# KiCad board expansionboardA.kicad_pcb
title: fpga board expansion test; rev: 3
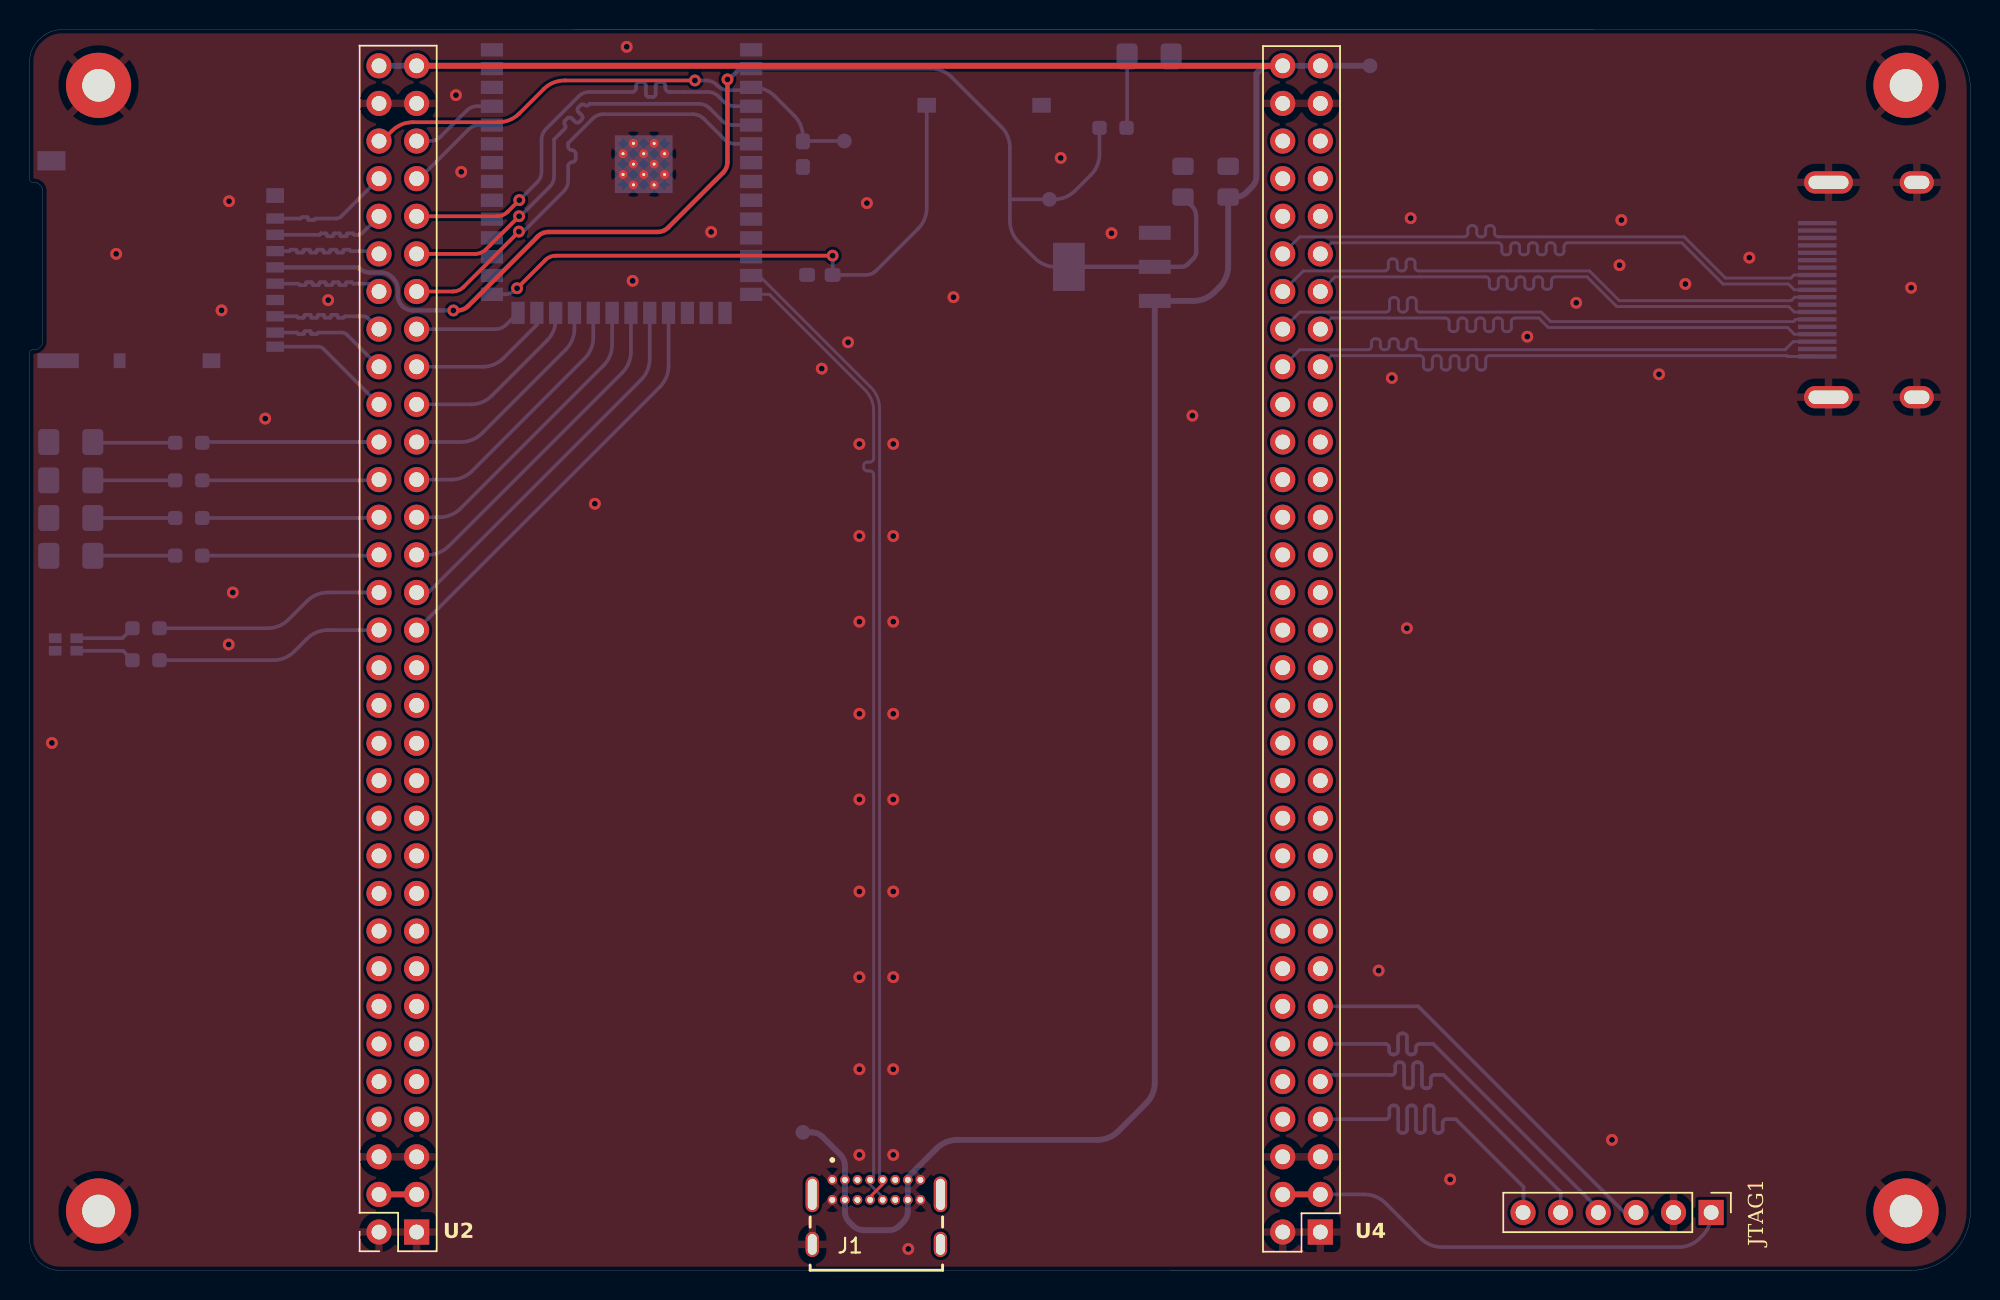
[diagram p0: board, top side]
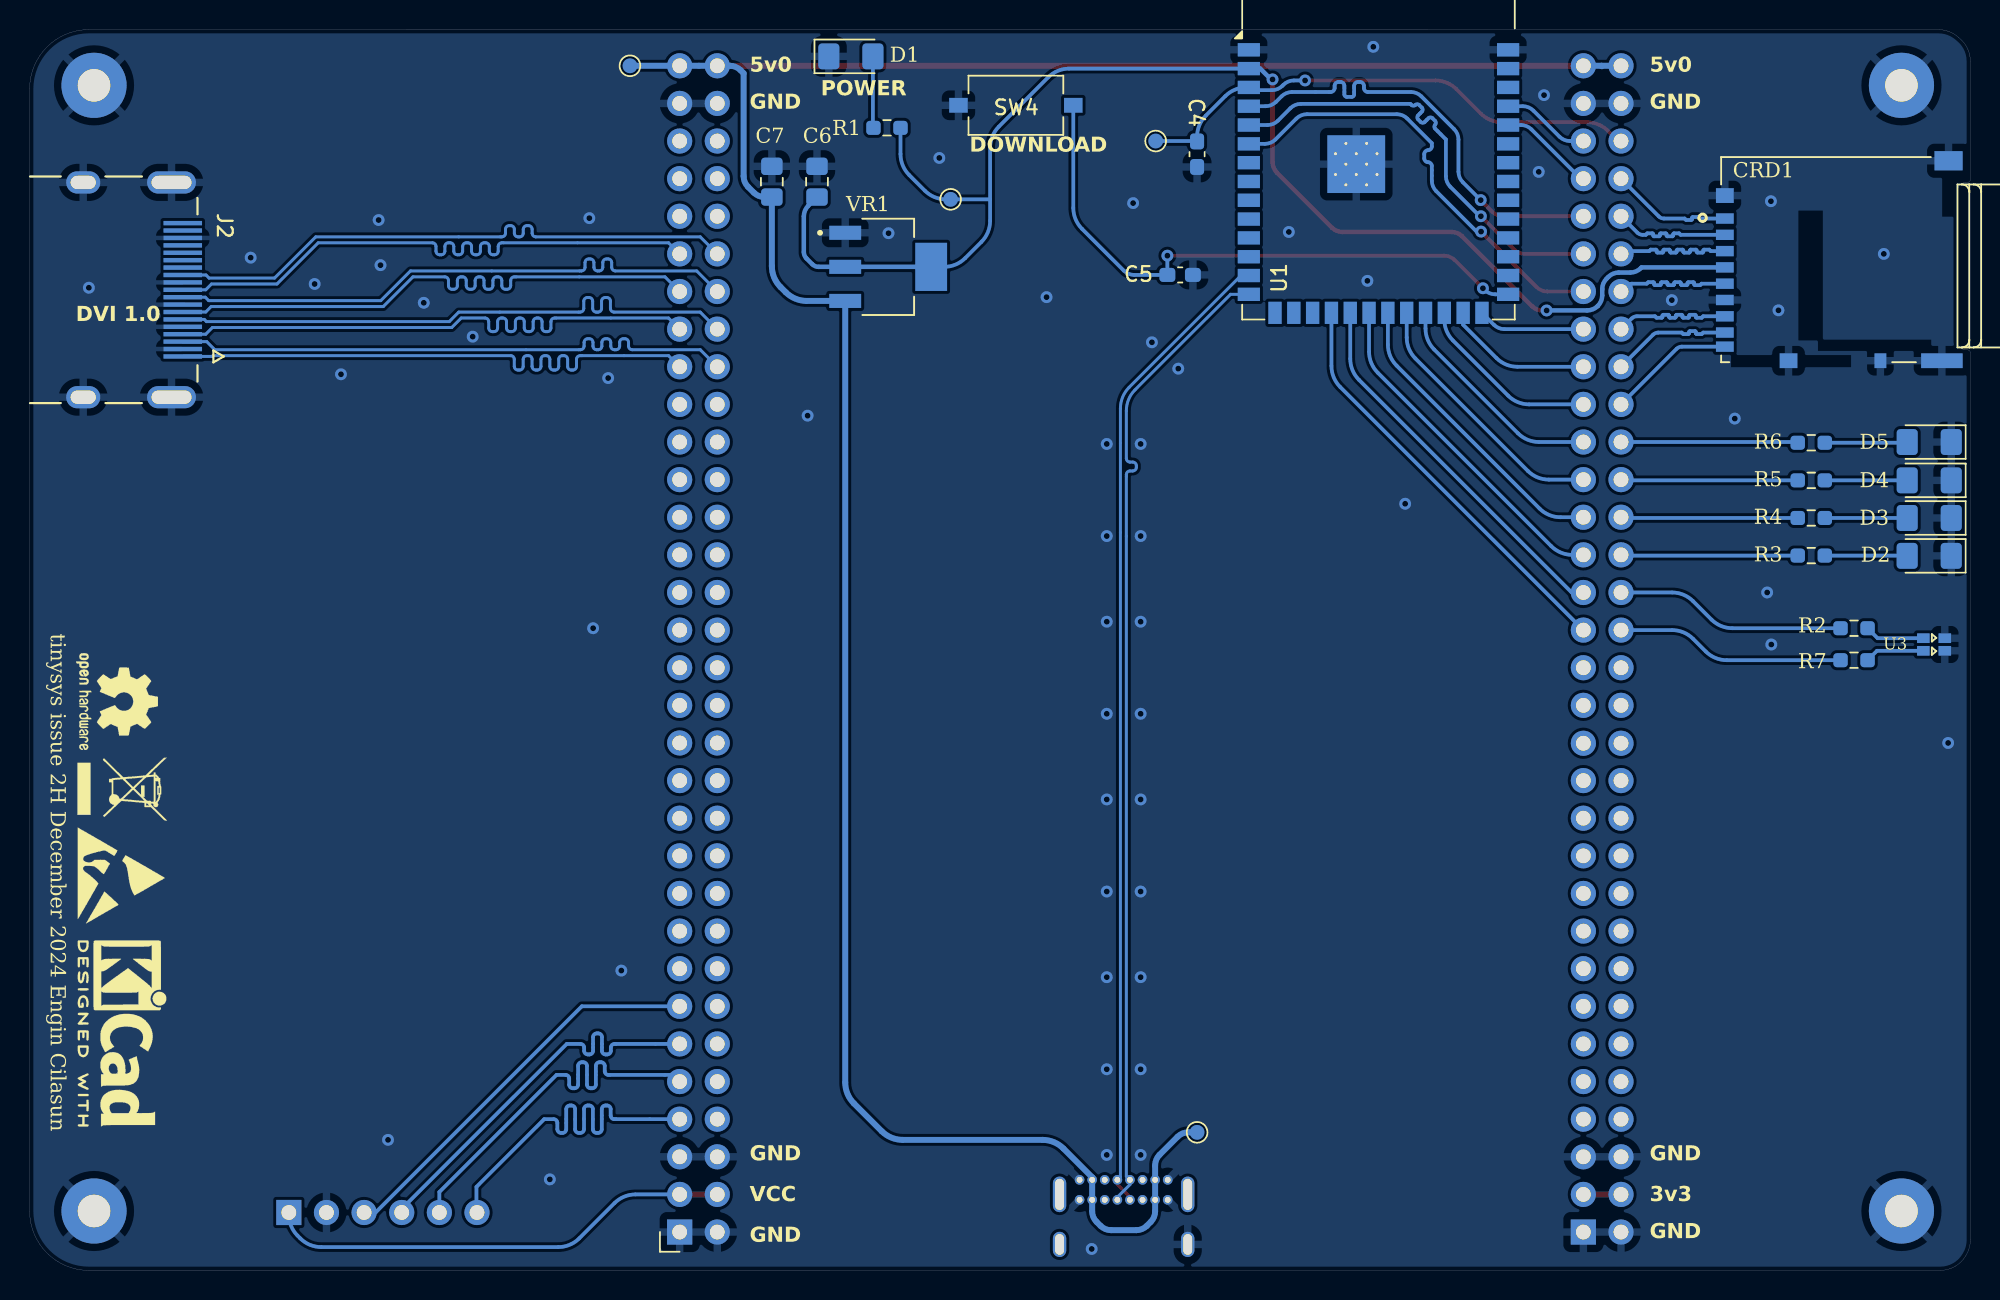
[diagram p1: board, bottom side, seen from below]

Outline 131 x 83.77 mm; copper layers: Top, Bottom. Coordinates in mm from the lower left corner of the outline.
Outline path: 0,61.95 0,2.06 arc(0.07,1.53) 0.28,1.03 0.32,0.97 arc(1.05,0.26) 2.04,0 127,0 arc(129.83,1.17) 131,4 131,79.77 arc(129.83,82.6) 127,83.77 2.15,83.77 arc(1.46,83.65) 0.85,83.29 0.71,83.17 arc(0.19,82.48) 0,81.64 0,73.65 arc(0.06,73.51) 0.2,73.45 0.29,73.45 arc(0.71,73.28) 0.89,72.85 0.89,62.75 arc(0.71,62.33) 0.29,62.15 0.2,62.15 arc(0.06,62.09) 0,61.95
Stack: Top 0.035mm / dielectric 1.51mm FR4 er 4.5 / Bottom 0.035mm

## Placement (name value [footprint] x y rotation side)
C4  0.1uf  [C_0603_1608Metric_Pad1.08x0.95mm_HandSolder]  52.2 75.36 270 bottom
C5  0.1uf  [C_0603_1608Metric_Pad1.08x0.95mm_HandSolder]  53.34 67.21 180 bottom
C6  10uf  [C_0805_2012Metric_Pad1.18x1.45mm_HandSolder]  77.85 73.5 90 bottom
C7  10uf  [C_0805_2012Metric_Pad1.18x1.45mm_HandSolder]  80.9 73.5 90 bottom
CRD1  DM3AT-SF-PEJM5  [HRS_DM3AT-SF-PEJM5]  16.57 67.82 90 bottom
D1  LED  [LED_1206_3216Metric_Pad1.42x1.75mm_HandSolder]  75.56 81.96 180 bottom
D2  LED  [LED_1206_3216Metric_Pad1.42x1.75mm_HandSolder]  2.78 48.24 0 bottom
D3  LED  [LED_1206_3216Metric_Pad1.42x1.75mm_HandSolder]  2.78 50.8 0 bottom
D4  LED  [LED_1206_3216Metric_Pad1.42x1.75mm_HandSolder]  2.78 53.34 0 bottom
D5  LED  [LED_1206_3216Metric_Pad1.42x1.75mm_HandSolder]  2.78 55.93 0 bottom
J1  USB_C_Receptacle  [GCT_USB4085-GF-A_REVA4]  57.15 1.75 0 top
J2  2086581051  [MOLEX_2086581051]  130.97 66.2 270 bottom
JTAG1  Conn_01x06_Pin  [PinHeader_1x06_P2.54mm_Vertical]  113.5 3.91 270 top
R1  330Ohm  [R_0603_1608Metric_Pad0.98x0.95mm_HandSolder]  73.13 77.14 0 bottom
R2  33Ohm  [R_0603_1608Metric_Pad0.98x0.95mm_HandSolder]  7.85 43.36 180 bottom
R3  33Ohm  [R_0603_1608Metric_Pad0.98x0.95mm_HandSolder]  10.74 48.26 180 bottom
R4  33Ohm  [R_0603_1608Metric_Pad0.98x0.95mm_HandSolder]  10.74 50.8 180 bottom
R5  33Ohm  [R_0603_1608Metric_Pad0.98x0.95mm_HandSolder]  10.74 53.34 180 bottom
R6  33Ohm  [R_0603_1608Metric_Pad0.98x0.95mm_HandSolder]  10.74 55.88 180 bottom
R7  33Ohm  [R_0603_1608Metric_Pad0.98x0.95mm_HandSolder]  7.85 41.2 180 bottom
REF**  -  [MountingHole_2.2mm_M2_Pad]  126.65 4.01 0 top
REF**#2  -  [MountingHole_2.2mm_M2_Pad]  4.65 4.01 0 top
REF**#3  -  [MountingHole_2.2mm_M2_Pad]  4.65 80.01 0 top
REF**#4  -  [MountingHole_2.2mm_M2_Pad]  126.65 80.01 0 top
REF**#5  -  [OSHW-Logo2_7.3x6mm_SilkScreen]  125.1 38.4 270 bottom
REF**#6  -  [WEEE-Logo_4.2x6mm_SilkScreen]  124.74 32.5 270 bottom
REF**#7  -  [KiCad-Logo2_5mm_SilkScreen]  124.74 16 270 bottom
REF**#8  -  [ESD-Logo_6.6x6mm_SilkScreen]  124.8 26.65 270 bottom
SW4  ESPPROG  [SW_Tactile_SPST_NO_Straight_CK_PTS636Sx25SMTRLFS]  64.43 78.66 180 bottom
t3V3  TestPoint  [TestPoint_Pad_D1.0mm]  68.83 72.31 180 bottom
t5V0  TestPoint  [TestPoint_Pad_D1.0mm]  90.47 81.33 180 bottom
tEN1  TestPoint  [TestPoint_Pad_D1.0mm]  54.99 76.25 180 bottom
tPWR1  TestPoint  [TestPoint_Pad_D1.0mm]  52.2 9.32 0 bottom
U1  -  [ESP32-S3-WROOM-1]  39.95 77.15 180 bottom
U2  GPIO_U2  [PinSocket_2x32_P2.54mm_Vertical]  26.12 2.59 0 bottom
U3  LTST-C195KGJRKT  [LTST-BILED-15X16]  2.45 42.26 90 bottom
U4  GPIO_U4  [PinSocket_2x32_P2.54mm_Vertical]  87.12 2.59 0 bottom
VR1  LM1117MPX-3.3/NOPB  [VREG_LM1117MPX-3.3_NOPB]  73.05 67.75 180 bottom

## Library data of the parts
C4-C7 = -: ki_fp_filters: C_*
CRD1 = -: AVAILABILITY: Unavailable; DESCRIPTION: DM3 RA SMT microSD memory card push/push; MF: Hirose; PACKAGE: None; PRICE: None
D1-D5 = -: ki_fp_filters: LED* LED_SMD:* LED_THT:*
J1 = -: Datasheet: https://www.usb.org/sites/default/files/documents/usb_type-c.zip; ki_fp_filters: USB*C*Receptacle*
J2 = -: PARTREV: A; STANDARD: Manufacturer Recommendations; OPTION: MOLEX_CONFIG; MAXIMUM_PACKAGE_HEIGHT: 6.19mm; MANUFACTURER: Molex
JTAG1 = -: Description: Generic connector, single row, 01x06, script generated; ki_fp_filters: Connector*:*_1x??_*
R1-R7 = -: ki_fp_filters: R_*
SW4 = -: Description: Push button switch, generic, two pins
t3V3 t5V0 tEN1 tPWR1 = -: Description: test point; ki_fp_filters: Pin* Test*
U1 = -: Datasheet: https://www.espressif.com/sites/default/files/documentation/esp32-s3-wroom-1_wroom-1u_datasheet_en.pdf; Description: RF Module, ESP32-S3 SoC, Wi-Fi 802.11b/g/n, Bluetooth, BLE, 32-bit, 3.3V, onboard antenna, SMD; ki_fp_filters: ESP32?S3?WROOM?1*
U2 U4 = -: ki_fp_filters: Connector*:*_2x??_*
VR1 = -: MANUFACTURER: Texas Instruments; MAXIMUM_PACKAGE_HEIGHT: 1.80 mm; PARTREV: O; STANDARD: Manufacturer Recommendation

## Footprints (pads in the part's own frame, mm; a bottom-side part is the same pattern mirrored in y, then rotated)
C_0603_1608Metric_Pad1.08x0.95mm_HandSolder
  rrect 1.075x0.95 smd: 1(-0.863,0) 2(0.863,0)
C_0805_2012Metric_Pad1.18x1.45mm_HandSolder
  rrect 1.175x1.45 smd: 1(-1.038,0) 2(1.038,0)
ESP32-S3-WROOM-1
  rect 0.9x0.9 smd: (-2.9,-3.86) (-2.9,-2.46) (-2.9,-1.06) (-1.5,-3.86) (-1.5,-2.46) (-1.5,-1.06) (-0.1,-3.86) (-0.1,-2.46) (-0.1,-1.06)
  rect 1.5x0.9 smd: 1(-8.75,5.26) 2(-8.75,3.99) 3(-8.75,2.72) 4(-8.75,1.45) 5(-8.75,0.18) 6(-8.75,-1.09) 7(-8.75,-2.36) 8(-8.75,-3.63) 9(-8.75,-4.9) 10(-8.75,-6.17) 11(-8.75,-7.44) 12(-8.75,-8.71) 13(-8.75,-9.98) 14(-8.75,-11.25) 27(8.75,-11.25) 28(8.75,-9.98) 29(8.75,-8.71) 30(8.75,-7.44) 31(8.75,-6.17) 32(8.75,-4.9) 33(8.75,-3.63) 34(8.75,-2.36) 35(8.75,-1.09) 36(8.75,0.18) 37(8.75,1.45) 38(8.75,2.72) 39(8.75,3.99) 40(8.75,5.26)
  rect 0.9x1.5 smd: 15(-6.985,-12.5) 16(-5.715,-12.5) 17(-4.445,-12.5) 18(-3.175,-12.5) 19(-1.905,-12.5) 20(-0.635,-12.5) 21(0.635,-12.5) 22(1.905,-12.5) 23(3.175,-12.5) 24(4.445,-12.5) 25(5.715,-12.5) 26(6.985,-12.5)
  round 0.6 hole 0.2: 41(-2.9,-3.16) 41(-2.9,-1.76) 41(-2.2,-3.86) 41(-2.2,-2.46) 41(-2.2,-1.06) 41(-1.5,-3.16) 41(-1.5,-1.76) 41(-0.8,-3.86) 41(-0.8,-2.46) 41(-0.8,-1.06) 41(-0.1,-3.16) 41(-0.1,-1.76)
  rect 3.9x3.9 smd: 41(-1.5,-2.46)
GCT_USB4085-GF-A_REVA4
  round 0.65 hole 0.4: A1(-2.975,4.36) A4(-2.125,4.36) A5(-1.275,4.36) A6(-0.425,4.36) A7(0.425,4.36) A8(1.275,4.36) A9(2.125,4.36) A12(2.975,4.36) B1(2.975,3.01) B4(2.125,3.01) B5(1.275,3.01) B6(0.425,3.01) B7(-0.425,3.01) B8(-1.275,3.01) B9(-2.125,3.01) B12(-2.975,3.01)
  oval 0.9x1.7 hole 0.6x1.4: S1(-4.325,0) S2(4.325,0)
  oval 0.9x2.4 hole 0.6x2.1: S3(-4.325,3.38) S4(4.325,3.38)
HRS_DM3AT-SF-PEJM5
  rect 0.7x1.2 smd: 1(3.2,0) 2(2.1,0) 3(1,0) 4(-0.1,0) 5(-1.2,0) 6(-2.3,0) 7(-3.4,0) 8(-4.5,0) SWB(-5.45,0)
  rect 1x1.2 smd: P1(-6.4,-4.3) P4(4.75,0)
  rect 1x2.8 smd: P2(-6.4,-14.65)
  rect 1.3x1.9 smd: P3(7.1,-15.1)
  rect 1x0.8 smd: SWA(-6.4,-10.5)
LED_1206_3216Metric_Pad1.42x1.75mm_HandSolder
  rrect 1.425x1.75 smd: 1(-1.488,0) 2(1.488,0)
LTST-BILED-15X16
  rect 0.65x0.85 smd: P$1(0.425,0.725) P$2(-0.425,0.725) P$3(0.425,-0.725) P$4(-0.425,-0.725)
MOLEX_2086581051
  rect 0.298x2.6 smd: 1(4.5,10.31) 2(4,10.31) 3(3.5,10.31) 4(3,10.31) 5(2.5,10.31) 6(2,10.31) 7(1.5,10.31) 8(1,10.31) 9(0.5,10.31) 10(0,10.31) 11(-0.5,10.31) 12(-1,10.31) 13(-1.5,10.31) 14(-2,10.31) 15(-2.5,10.31) 16(-3,10.31) 17(-3.5,10.31) 18(-4,10.31) 19(-4.5,10.31)
  oval 1.5x3.3 hole 0.9x2.7: SH1(7.25,9.55) SH2(-7.25,9.55)
  oval 1.5x2.3 hole 0.9x1.7: SH3(7.25,3.59) SH4(-7.25,3.59)
MountingHole_2.2mm_M2_Pad
  round 4.4 hole 2.2: 1(0,0)
PinHeader_1x06_P2.54mm_Vertical
  rect 1.7x1.7 hole 1: 1(0,0)
  oval 1.7x1.7 hole 1: 2(0,-2.54) 3(0,-5.08) 4(0,-7.62) 5(0,-10.16) 6(0,-12.7)
PinSocket_2x32_P2.54mm_Vertical
  rect 1.7x1.7 hole 1: 1(0,0)
  oval 1.7x1.7 hole 1: 2(-2.54,0) 3(0,-2.54) 4(-2.54,-2.54) 5(0,-5.08) 6(-2.54,-5.08) 7(0,-7.62) 8(-2.54,-7.62) 9(0,-10.16) 10(-2.54,-10.16) 11(0,-12.7) 12(-2.54,-12.7) 13(0,-15.24) 14(-2.54,-15.24) 15(0,-17.78) 16(-2.54,-17.78) 17(0,-20.32) 18(-2.54,-20.32) 19(0,-22.86) 20(-2.54,-22.86) 21(0,-25.4) 22(-2.54,-25.4) 23(0,-27.94) 24(-2.54,-27.94) 25(0,-30.48) 26(-2.54,-30.48) 27(0,-33) 28(-2.54,-33) 29(0,-35.56) 30(-2.54,-35.56) 31(0,-38.1) 32(-2.54,-38.1) 33(0,-40.64) 34(-2.54,-40.64) 35(0,-43.18) 36(-2.54,-43.18) 37(0,-45.72) 38(-2.54,-45.72) 39(0,-48.26) 40(-2.54,-48.26) 41(0,-50.8) 42(-2.54,-50.8) 43(0,-53.34) 44(-2.54,-53.34) 45(0,-55.88) 46(-2.54,-55.88) 47(0,-58.42) 48(-2.54,-58.42) 49(0,-60.96) 50(-2.54,-60.96) 51(0,-63.5) 52(-2.54,-63.5) 53(0,-66.04) 54(-2.54,-66.04) 55(0,-68.58) 56(-2.54,-68.58) 57(0,-71.12) 58(-2.54,-71.12) 59(0,-73.66) 60(-2.54,-73.66) 61(0,-76.2) 62(-2.54,-76.2) 63(0,-78.74) 64(-2.54,-78.74)
R_0603_1608Metric_Pad0.98x0.95mm_HandSolder
  rrect 0.975x0.95 smd: 1(-0.912,0) 2(0.912,0)
SW_Tactile_SPST_NO_Straight_CK_PTS636Sx25SMTRLFS
  rect 1.25x1 smd: 1(-3.875,0) 2(3.875,0)
TestPoint_Pad_D1.0mm
  round 1 smd: 1(0,0)
VREG_LM1117MPX-3.3_NOPB
  rect 2.15x0.95 smd: 1(-2.9,2.3) 2(-2.9,0) 3(-2.9,-2.3)
  rect 2.15x3.25 smd: 4(2.9,0)

## Nets
3V3: U2.3 U2.4
5V: C7.1 J1.A4 J1.A9 J1.B4 J1.B9 t5V0.1 tPWR1.1 U2.63 U2.64 U4.63 U4.64 VR1.3
GND: C4.2 C5.2 C6.2 C7.2 CRD1.6 CRD1.P1 CRD1.P2 CRD1.P3 CRD1.P4 CRD1.SWA D1.1 D2.1 D3.1 D4.1 D5.1 J1.A1 J1.A12 J1.B1 J1.B12 J1.S1 J2.2 J2.5 J2.8 J2.11 J2.17 J2.SH1 J2.SH2 J2.SH3 J2.SH4 JTAG1.2 REF**.1 REF**#2.1 REF**#3.1 REF**#4.1 SW4.1 U1.1 U1.40 U1.41 U2.1 U2.2 U2.5 U2.6 U2.61 U2.62 U3.P$3 U3.P$4 U4.1 U4.2 U4.5 U4.6 U4.61 U4.62 VR1.1
VCC: JTAG1.1 U4.3 U4.4
AU_LRCLK: U4.21
AU_MCLK: U4.23
AU_SCLK: U4.19
AU_SDIN: U4.17
CK_N: J2.12 U4.54
CK_P: J2.10 U4.53
CPU_RESET: U1.26 U2.49
D0_N: J2.9 U4.52
D0_P: J2.7 U4.51
D1_N: J2.6 U4.50
D1_P: J2.4 U4.49
D2_N: J2.3 U4.48
D2_P: J2.1 U4.47
ESP2D_N: J1.A7 J1.B7 U1.13
ESP2D_P: J1.A6 J1.B6 U1.14
ESP_RST: C4.1 tEN1.1 U1.3 U2.60
GPI: U4.14
IO10: U1.18 U2.33
IO11: U1.19 U2.35
IO12: U1.20 U2.37
IO13: U1.21 U2.39
IO14: U1.22 U2.41
IO21: U1.23 U2.43
IO47: U1.24 U2.45
IO48: U1.25 U2.47
LED0: R3.1 U2.38
LED1: R4.1 U2.40
LED2: R5.1 U2.42
LED3: R6.1 U2.44
REG3V3: C6.1 CRD1.4 R1.1 t3V3.1 U1.2 VR1.2 VR1.4
RXD1: U1.36 U2.57
S3_MCLK: U1.6 U2.51
S3_MISO: U1.4 U2.55
S3_MOSI: U1.5 U2.53
SDCLK: CRD1.5 U2.52
SDCMD: CRD1.3 U2.54
SDDAT0: CRD1.7 U2.50
SDDAT1: CRD1.8 U2.48
SDDAT2: CRD1.1 U2.58
SDDAT3: CRD1.2 U2.56
SDSWTCH: CRD1.SWB U2.46
STAT_G1: R2.1 U2.36
STAT_R1: R7.1 U2.34
TCK: JTAG1.3 U4.13
TDI: JTAG1.5 U4.9
TDO: JTAG1.4 U4.11
TMS: JTAG1.6 U4.7
TXD1: U1.37 U2.59
Net-(D1-A): D1.2 R1.2
Net-(D2-A): D2.2 R3.2
Net-(D3-A): D3.2 R4.2
Net-(D4-A): D4.2 R5.2
Net-(D5-A): D5.2 R6.2
Net-(R2-Pad2): R2.2 U3.P$1
Net-(R7-Pad2): R7.2 U3.P$2
Net-(U1-IO0): C5.1 SW4.2 U1.27

Pads without a net: J1 A5 A8 B5 B8 S2 S3 S4; J2 13 14 15 16 18 19; U1 7 8 9 10 11 12 15 16 17 28 29 30 31 32 33 34 35 38 39; U2 7 8 9 10 11 12 13 14 15 16 17 18 19 20 21 22 23 24 25 26 27 28 29 30 31 32; U4 8 10 12 15 16 18 20 22 24 25 26 27 28 29 30 31 32 33 34 35 36 37 38 39 40 41 42 43 44 45 46 55 56 57 58 59 60

## Via types
v1: diameter 0.8, hole 0.4, Top to Bottom, 62 vias

## Routing (per net, layer and track width the routed paths; a pad name or vN(x,y) marks a point on that pad's centre or on a via; arc(x,y) is an arc through that point)
3V3: length 2.5
  Top w0.4: U2.3 U2.4
5V: length 176.6
  Top w0.4: U4.64 U2.63
  Bottom w0.4: 24.9,81.33 U2.63 ; 24.9,81.33 U2.64 ; 24.9,81.33 24.87,81.3 ; t5V0.1 U4.63 U4.64 83.73,81.33 arc(83.34,81.25) 83.02,81.04 82.8,80.82 82.8,73.87 arc(82.73,73.49) 82.51,73.16 82.11,72.76 arc(81.78,72.54) 81.4,72.47 C7.1 80.9,67.81 arc(80.75,67.04) 80.31,66.39 79.96,66.04 arc(79.31,65.61) 78.55,65.45 VR1.3 75.95,12.69 arc(75.79,11.92) 75.36,11.27 73.48,9.4 arc(72.83,8.96) 72.07,8.81 62.63,8.81 arc(61.86,8.66) 61.22,8.23 59.28,6.29 J1.A9 J1.B4 59.28,3.99 arc(59.2,3.61) 58.99,3.28 58.71,3.01 arc(58.39,2.79) 58.01,2.72 56.29,2.72 arc(55.91,2.79) 55.59,3.01 55.32,3.27 arc(55.1,3.6) 55.03,3.98 J1.B9 J1.A4 55.03,7.09 arc(54.95,7.47) 54.74,7.8 53.51,9.03 arc(53.18,9.24) 52.8,9.32 tPWR1.1
GND:
  vias: v1(1.5,35.61) v1(5.84,68.63) v1(12.95,64.82) v1(13.44,42.26) v1(13.46,72.18) v1(13.72,45.77) v1(15.9,57.51) v1(20.15,65.51) v1(28.78,79.35) v1(29.13,74.17) v1(38.15,51.76) v1(40.3,82.61) v1(40.7,66.81) v1(46,70.11) v1(53.47,60.88) v1(55.25,62.66) v1(56.01,55.8) v1(56.01,49.58) v1(56.01,43.8) v1(56.01,37.58) v1(56.01,31.8) v1(56.01,25.58) v1(56.01,19.8) v1(56.01,13.58) v1(56.01,7.8) v1(56.52,72.06) v1(58.29,55.8) v1(58.29,49.58) v1(58.29,43.8) v1(58.29,37.58) v1(58.29,31.8) v1(58.29,25.58) v1(58.29,19.8) v1(58.29,13.58) v1(58.29,7.8) v1(59.31,1.45) v1(62.36,65.71) v1(69.6,75.11) v1(73.03,70.03) v1(78.49,57.71) v1(91.06,20.24) v1(91.95,60.25) v1(92.96,43.36) v1(93.22,71.04) v1(95.89,6.14) v1(101.09,63.04) v1(104.39,65.33) v1(106.81,8.81) v1(107.32,67.87) v1(107.44,70.91) v1(109.98,60.5) v1(111.76,66.6) v1(116.08,68.37) v1(127,66.34)
VCC: length 31.6
  Top w0.4: U4.3 U4.4
  Bottom w0.25: JTAG1.1 113.5,3.76 arc(113.35,3) 112.92,2.35 112.73,2.16 arc(112.08,1.72) 111.31,1.57 95.32,1.57 arc(94.55,1.72) 93.9,2.16 91.52,4.54 arc(90.87,4.98) 90.1,5.13 U4.3
CK_N: length 40
  Bottom w0.2: J2.12 119.09,67.2 118.89,67 114.47,67 111.68,69.78 99.12,69.78 arc(98.95,69.85) 98.88,70.02 98.88,70.3 arc(98.81,70.47) 98.64,70.54 98.52,70.54 arc(98.35,70.47) 98.28,70.3 98.28,70.02 arc(98.21,69.85) 98.04,69.78 97.92,69.78 arc(97.75,69.85) 97.68,70.02 97.68,70.3 arc(97.61,70.47) 97.44,70.54 97.32,70.54 arc(97.15,70.47) 97.08,70.3 97.08,70.02 arc(97.01,69.85) 96.84,69.78 85.73,69.78 U4.54
CK_P: length 40
  Bottom w0.2: U4.53 87.87,69.38 99.13,69.38 arc(99.3,69.31) 99.37,69.14 99.37,68.81 arc(99.44,68.64) 99.61,68.57 99.73,68.57 arc(99.9,68.64) 99.97,68.81 99.97,69.14 arc(100.04,69.31) 100.21,69.38 100.33,69.38 arc(100.5,69.31) 100.57,69.14 100.57,68.81 arc(100.64,68.64) 100.81,68.57 100.93,68.57 arc(101.1,68.64) 101.17,68.81 101.17,69.14 arc(101.24,69.31) 101.41,69.38 101.53,69.38 arc(101.7,69.31) 101.77,69.14 101.77,68.81 arc(101.84,68.64) 102.01,68.57 102.13,68.57 arc(102.3,68.64) 102.37,68.81 102.37,69.14 arc(102.44,69.31) 102.61,69.38 102.73,69.38 arc(102.9,69.31) 102.97,69.14 102.97,68.81 arc(103.04,68.64) 103.21,68.57 103.33,68.57 arc(103.5,68.64) 103.57,68.81 103.57,69.14 arc(103.64,69.31) 103.81,69.38 111.52,69.38 114.3,66.6 118.72,66.6 119.11,66.2 J2.10
CPU_RESET: length 7.3
  Bottom w0.25: U1.26 32.16,63.84 arc(31.84,63.62) 31.45,63.55 U2.49
D0_N: length 40
  Bottom w0.2: J2.9 119.14,65.7 118.91,65.47 107.3,65.47 105.29,67.48 93.75,67.48 arc(93.58,67.55) 93.51,67.72 93.51,68.05 arc(93.44,68.22) 93.27,68.29 93.15,68.29 arc(92.98,68.22) 92.91,68.05 92.91,67.72 arc(92.84,67.55) 92.67,67.48 92.55,67.48 arc(92.38,67.55) 92.31,67.72 92.31,68.05 arc(92.24,68.22) 92.07,68.29 91.95,68.29 arc(91.78,68.22) 91.71,68.05 91.71,67.72 arc(91.64,67.55) 91.47,67.48 85.97,67.48 U4.52
D0_P: length 40
  Bottom w0.2: U4.51 88.11,67.08 98.29,67.08 arc(98.46,67.01) 98.53,66.84 98.53,66.48 arc(98.6,66.31) 98.77,66.24 98.89,66.24 arc(99.06,66.31) 99.13,66.48 99.13,66.84 arc(99.2,67.01) 99.37,67.08 99.49,67.08 arc(99.66,67.01) 99.73,66.84 99.73,66.48 arc(99.8,66.31) 99.97,66.24 100.09,66.24 arc(100.26,66.31) 100.33,66.48 100.33,66.84 arc(100.4,67.01) 100.57,67.08 100.69,67.08 arc(100.86,67.01) 100.93,66.84 100.93,66.48 arc(101,66.31) 101.17,66.24 101.29,66.24 arc(101.46,66.31) 101.53,66.48 101.53,66.84 arc(101.6,67.01) 101.77,67.08 101.89,67.08 arc(102.06,67.01) 102.13,66.84 102.13,66.48 arc(102.2,66.31) 102.37,66.24 102.49,66.24 arc(102.66,66.31) 102.73,66.48 102.73,66.84 arc(102.8,67.01) 102.97,67.08 105.12,67.08 107.13,65.07 118.74,65.07 119.11,64.7 J2.7
D1_N: length 40
  Bottom w0.2: J2.6 119.21,64.2 119.06,64.06 102.67,64.06 102.03,64.7 93.83,64.7 arc(93.66,64.77) 93.59,64.94 93.59,65.44 arc(93.52,65.61) 93.35,65.68 93.23,65.68 arc(93.06,65.61) 92.99,65.44 92.99,64.94 arc(92.92,64.77) 92.75,64.7 92.63,64.7 arc(92.46,64.77) 92.39,64.94 92.39,65.44 arc(92.32,65.61) 92.15,65.68 92.03,65.68 arc(91.86,65.61) 91.79,65.44 91.79,64.94 arc(91.72,64.77) 91.55,64.7 85.73,64.7 U4.50
D1_P: length 40
  Bottom w0.2: U4.49 87.87,64.3 95.57,64.3 arc(95.74,64.23) 95.81,64.06 95.81,63.62 arc(95.88,63.45) 96.05,63.38 96.17,63.38 arc(96.34,63.45) 96.41,63.62 96.41,64.06 arc(96.48,64.23) 96.65,64.3 96.77,64.3 arc(96.94,64.23) 97.01,64.06 97.01,63.62 arc(97.08,63.45) 97.25,63.38 97.37,63.38 arc(97.54,63.45) 97.61,63.62 97.61,64.06 arc(97.68,64.23) 97.85,64.3 97.97,64.3 arc(98.14,64.23) 98.21,64.06 98.21,63.62 arc(98.28,63.45) 98.45,63.38 98.57,63.38 arc(98.74,63.45) 98.81,63.62 98.81,64.06 arc(98.88,64.23) 99.05,64.3 99.17,64.3 arc(99.34,64.23) 99.41,64.06 99.41,63.62 arc(99.48,63.45) 99.65,63.38 99.77,63.38 arc(99.94,63.45) 100.01,63.62 100.01,64.06 arc(100.08,64.23) 100.25,64.3 101.87,64.3 102.51,63.66 118.66,63.66 119.11,63.2 J2.4
D2_N: length 40
  Bottom w0.2: J2.3 119.04,62.7 118.5,62.16 93.81,62.16 arc(93.64,62.23) 93.57,62.4 93.57,62.66 arc(93.5,62.83) 93.33,62.9 93.21,62.9 arc(93.04,62.83) 92.97,62.66 92.97,62.4 arc(92.9,62.23) 92.73,62.16 92.61,62.16 arc(92.44,62.23) 92.37,62.4 92.37,62.66 arc(92.3,62.83) 92.13,62.9 92.01,62.9 arc(91.84,62.83) 91.77,62.66 91.77,62.4 arc(91.7,62.23) 91.53,62.16 91.41,62.16 arc(91.24,62.23) 91.17,62.4 91.17,62.66 arc(91.1,62.83) 90.93,62.9 90.81,62.9 arc(90.64,62.83) 90.57,62.66 90.57,62.4 arc(90.5,62.23) 90.33,62.16 85.73,62.16 U4.48
D2_P: length 40
  Bottom w0.2: J2.1 118.67,61.7 118.62,61.76 98.52,61.76 arc(98.35,61.69) 98.28,61.52 98.28,61.03 arc(98.21,60.86) 98.04,60.79 97.92,60.79 arc(97.75,60.86) 97.68,61.03 97.68,61.52 arc(97.61,61.69) 97.44,61.76 97.32,61.76 arc(97.15,61.69) 97.08,61.52 97.08,61.03 arc(97.01,60.86) 96.84,60.79 96.72,60.79 arc(96.55,60.86) 96.48,61.03 96.48,61.52 arc(96.41,61.69) 96.24,61.76 96.12,61.76 arc(95.95,61.69) 95.88,61.52 95.88,61.03 arc(95.81,60.86) 95.64,60.79 95.52,60.79 arc(95.35,60.86) 95.28,61.03 95.28,61.52 arc(95.21,61.69) 95.04,61.76 94.92,61.76 arc(94.75,61.69) 94.68,61.52 94.68,61.03 arc(94.61,60.86) 94.44,60.79 94.32,60.79 arc(94.15,60.86) 94.08,61.03 94.08,61.52 arc(94.01,61.69) 93.84,61.76 87.87,61.76 U4.47
ESP2D_N: length 66.7
  Top w0.2: J1.A7 57.58,5.81 56.73,4.96 J1.B7
  Bottom w0.2: J1.A7 57.37,6.32 57.37,58.2 arc(57.22,58.97) 56.79,59.62 49.23,67.17 U1.13
ESP2D_P: length 66.6
  Bottom w0.2: J1.B6 57.58,4.94 56.73,5.79 J1.A6 56.97,6.36 56.97,53.73 arc(56.9,53.9) 56.73,53.97 56.54,53.97 arc(56.37,54.04) 56.3,54.21 56.3,54.33 arc(56.37,54.5) 56.54,54.57 56.73,54.57 arc(56.9,54.64) 56.97,54.81 56.97,58.04 arc(56.82,58.8) 56.39,59.45 49.94,65.9 U1.14
ESP_RST: length 35.1
  Top w0.25: U2.60 23.77,76.25 24.46,76.93 arc(25.11,77.37) 25.87,77.52 31.63,77.52 arc(32.4,77.67) 33.05,78.1 34.69,79.75 arc(35.34,80.19) 36.11,80.34 v1(44.91,80.34)
  Bottom w0.25: tEN1.1 52.22,76.25 C4.1 52.2,76.54 arc(52.04,77.31) 51.61,77.96 50.29,79.28 arc(49.64,79.72) 48.87,79.87 U1.3 48.52,79.68 47.14,79.68 arc(46.76,79.76) 46.44,79.98 46.37,80.04 arc(46.04,80.26) 45.66,80.34 v1(44.91,80.34)
IO10: length 28.4
  Bottom w0.25: U1.18 43.13,61.06 arc(42.97,60.3) 42.54,59.65 U2.33
IO11: length 25.8
  Bottom w0.25: U2.35 26.91,45.77 41.27,60.13 arc(41.7,60.78) 41.86,61.54 U1.19
IO12: length 23.1
  Bottom w0.25: U1.20 40.59,62.02 arc(40.43,61.26) 40,60.61 28.29,48.89 arc(27.64,48.46) 26.87,48.31 U2.37
IO13: length 20.5
  Bottom w0.25: U2.39 27.66,50.85 arc(28.43,51) 29.08,51.43 38.73,61.09 arc(39.16,61.74) 39.32,62.5 U1.21
IO14: length 17.9
  Bottom w0.25: U1.22 38.05,62.98 arc(37.89,62.22) 37.46,61.57 29.87,53.97 arc(29.22,53.54) 28.45,53.39 U2.41
IO21: length 15.2
  Bottom w0.25: U1.23 36.78,63.59 arc(36.62,62.82) 36.19,62.17 30.53,56.51 arc(29.88,56.08) 29.12,55.93 U2.43
IO47: length 13
  Top w0.25: U2.45 26.12,58.99
  Bottom w0.25: U1.24 35.51,64.19 arc(35.35,63.43) 34.92,62.78 31.2,59.05 arc(30.55,58.62) 29.78,58.47 U2.45
IO48: length 10
  Bottom w0.25: U2.47 30.57,61.01 arc(31.34,61.16) 31.99,61.59 34.24,63.84 34.24,64.65
LED0: length 12
  Bottom w0.25: R3.1 23.53,48.26 U2.38
LED1: length 12
  Bottom w0.25: R4.1 23.53,50.8 U2.40
LED2: length 12
  Bottom w0.25: U2.42 23.53,53.34 R5.1
LED3: length 12
  Bottom w0.25: U2.44 11.7,55.93 R6.1
REG3V3: length 97
  Top w0.3: v1(28.6,64.81) 28.89,64.81 arc(29.27,64.88) 29.59,65.1 34.31,69.82 arc(34.63,70.03) 35.02,70.11 42.39,70.11 arc(42.77,70.18) 43.09,70.4 46.81,74.12 arc(47.03,74.44) 47.1,74.82 v1(47.1,80.41)
  Bottom w0.25: 66.17,72.31 t3V3.1 69.16,72.31 arc(69.92,72.46) 70.57,72.9 71.63,73.96 arc(72.06,74.6) 72.22,75.37 R1.1 ; 66.17,72.31 66.17,70.85 arc(66.32,70.09) 66.75,69.44 67.85,68.34 arc(68.5,67.91) 69.27,67.75 VR1.4 ; 66.17,72.31 66.17,75.8 arc(66.01,76.57) 65.58,77.22 62.24,80.55 arc(61.59,80.99) 60.83,81.14 U1.2
  Bottom w0.3: VR1.4 VR1.2 77.74,67.75 arc(77.97,67.8) 78.17,67.93 78.56,68.33 arc(78.69,68.52) 78.74,68.75 78.74,71.16 arc(78.66,71.55) 78.45,71.87 C6.1 ; CRD1.4 22.19,67.72 22.25,67.66 arc(22.57,67.44) 22.96,67.37 23.73,67.37 arc(24.11,67.29) 24.43,67.08 24.56,66.95 arc(24.77,66.63) 24.85,66.25 24.85,65.82 arc(24.93,65.44) 25.14,65.12 25.15,65.11 arc(25.48,64.89) 25.86,64.81 28.6,64.81 v1(28.6,64.81) ; v1(47.1,80.41) 47.2,80.41 47.93,81.14 U1.2
RXD1: length 6.5
  Bottom w0.25: U2.57 26.3,73.71 29.63,77.04 arc(29.95,77.25) 30.34,77.33 U1.36
S3_MCLK: length 30.5
  Top w0.25: U2.51 28.57,66.09 arc(28.95,66.16) 29.27,66.38 v1(33.03,70.13)
  Bottom w0.25: v1(33.03,70.13) 33.33,70.13 36.06,72.87 arc(36.28,73.19) 36.35,73.57 36.35,74.56 arc(36.43,74.74) 36.61,74.82 arc(36.79,74.89) 36.86,75.07 36.86,75.37 arc(36.79,75.55) 36.61,75.63 arc(36.43,75.7) 36.35,75.88 36.35,76.11 38.01,77.77 arc(38.33,77.98) 38.72,78.06 44.79,78.06 arc(45.17,77.98) 45.49,77.77 46.91,76.35 arc(47.23,76.13) 47.62,76.06 U1.6
S3_MISO: length 30.5
  Top w0.25: v1(33.05,72.26) 32.25,71.46 arc(31.93,71.24) 31.55,71.17 U2.55
  Bottom w0.25: U1.4 47.58,78.6 arc(47.19,78.67) 46.87,78.89 46.49,79.27 arc(46.17,79.48) 45.79,79.56 43.18,79.56 arc(42.99,79.64) 42.91,79.82 42.91,79.97 arc(42.84,80.16) 42.65,80.24 42.52,80.24 arc(42.33,80.16) 42.25,79.97 42.25,79.39 arc(42.21,79.28) 42.09,79.23 41.76,79.23 arc(41.64,79.28) 41.59,79.39 41.59,79.97 arc(41.52,80.16) 41.33,80.24 41.2,80.24 arc(41.01,80.16) 40.93,79.97 40.93,79.82 arc(40.86,79.64) 40.67,79.56 37.77,79.56 arc(37.38,79.48) 37.06,79.27 34.84,77.05 arc(34.63,76.73) 34.55,76.34 34.55,74.17 arc(34.48,73.79) 34.26,73.47 v1(33.05,72.26)
S3_MOSI: length 30.5
  Top w0.25: U2.53 30.08,68.63 arc(30.47,68.7) 30.79,68.92 v1(33.04,71.17)
  Bottom w0.25: U1.5 47.45,77.33 arc(47.06,77.4) 46.74,77.62 45.89,78.47 arc(45.57,78.68) 45.19,78.76 37.8,78.76 37.73,78.68 arc(37.6,78.63) 37.47,78.68 arc(37.33,78.74) 37.2,78.68 37.02,78.5 arc(36.97,78.37) 37.02,78.24 37.28,77.98 arc(37.34,77.85) 37.28,77.71 37.1,77.53 arc(36.97,77.48) 36.84,77.53 36.57,77.79 arc(36.44,77.85) 36.31,77.79 36.13,77.61 arc(36.07,77.48) 36.13,77.35 arc(36.18,77.22) 36.13,77.09 35.4,76.36 35.4,73.87 arc(35.33,73.49) 35.11,73.17 33.11,71.17 v1(33.04,71.17)
SDCLK: length 8.3
  Bottom w0.25: CRD1.5 18.14,66.62 18.24,66.52 18.59,66.52 18.64,66.57 18.64,66.67 18.69,66.72 19.04,66.72 19.09,66.67 19.09,66.57 19.14,66.52 19.49,66.52 19.54,66.57 19.54,66.67 19.59,66.72 19.94,66.72 19.99,66.67 19.99,66.57 20.04,66.52 20.39,66.52 20.44,66.57 20.44,66.67 20.49,66.72 20.84,66.72 20.89,66.67 20.89,66.57 20.94,66.52 21.29,66.52 21.34,66.57 21.34,66.67 21.39,66.72 21.74,66.72 21.84,66.62 22.85,66.62 arc(23.04,66.58) 23.2,66.47 U2.52
SDCMD: length 8.3
  Bottom w0.25: CRD1.3 17.53,68.82 17.63,68.92 17.98,68.92 18.03,68.87 18.03,68.77 18.08,68.72 18.43,68.72 18.48,68.77 18.48,68.87 18.53,68.92 18.88,68.92 18.93,68.87 18.93,68.77 18.98,68.72 19.33,68.72 19.38,68.77 19.38,68.87 19.43,68.92 19.78,68.92 19.83,68.87 19.83,68.77 19.88,68.72 20.23,68.72 20.28,68.77 20.28,68.87 20.33,68.92 20.68,68.92 20.73,68.87 20.73,68.77 20.78,68.72 21.13,68.72 21.18,68.77 21.18,68.87 21.23,68.92 21.58,68.92 21.68,68.82 23.19,68.82 arc(23.38,68.78) 23.54,68.67 U2.54
SDDAT0: length 8.3
  Bottom w0.25: CRD1.7 18.03,64.42 18.13,64.32 18.48,64.32 18.53,64.37 18.53,64.47 18.58,64.52 18.93,64.52 18.98,64.47 18.98,64.37 19.03,64.32 19.38,64.32 19.43,64.37 19.43,64.47 19.48,64.52 19.83,64.52 19.88,64.47 19.88,64.37 19.93,64.32 20.28,64.32 20.33,64.37 20.33,64.47 20.38,64.52 20.73,64.52 20.78,64.47 20.78,64.37 20.83,64.32 21.18,64.32 21.28,64.42 22.51,64.42 arc(22.7,64.38) 22.86,64.27 U2.50
SDDAT1: length 8.3
  Bottom w0.25: U2.48 21.42,63.17 arc(21.26,63.28) 21.07,63.32 19.48,63.32 19.38,63.22 19.03,63.22 18.98,63.27 18.98,63.37 18.93,63.42 18.58,63.42 18.53,63.37 18.53,63.27 18.48,63.22 18.13,63.22 18.03,63.32 CRD1.8
SDDAT2: length 8.3
  Bottom w0.25: CRD1.1 18.29,71.02 18.39,71.12 18.74,71.12 18.79,71.07 18.79,70.97 18.84,70.92 19.19,70.92 19.29,71.02 20.68,71.02 arc(20.87,71.05) 21.04,71.16 U2.58
SDDAT3: length 8.2
  Bottom w0.25: CRD1.2 19.56,69.92 19.66,70.02 20.01,70.02 20.06,69.97 20.06,69.87 20.11,69.82 20.46,69.82 20.51,69.87 20.51,69.97 20.56,70.02 20.91,70.02 20.96,69.97 20.96,69.87 21.01,69.82 21.36,69.82 21.41,69.87 21.41,69.97 21.46,70.02 21.81,70.02 21.91,69.92 22.12,69.92 arc(22.31,69.95) 22.48,70.06 U2.56
SDSWTCH: length 8.6
  Bottom w0.25: CRD1.SWB 19.48,62.37 arc(19.67,62.33) 19.83,62.22 U2.46
STAT_G1: length 15.6
  Bottom w0.25: R2.1 16.06,43.36 arc(16.83,43.51) 17.48,43.94 18.72,45.18 arc(19.37,45.62) 20.13,45.77 U2.36
STAT_R1: length 15.5
  Bottom w0.25: U2.34 20.13,43.23 arc(19.37,43.08) 18.72,42.64 17.86,41.78 arc(17.21,41.35) 16.44,41.2 R7.1
TCK: length 27.1
  Bottom w0.25: JTAG1.3 107.65,3.91 93.73,17.83 U4.13
TDI: length 27.1
  Bottom w0.25: U4.9 87.57,13.2 91.94,13.2 arc(92.11,13.27) 92.18,13.44 92.18,13.81 arc(92.25,13.98) 92.42,14.05 92.54,14.05 arc(92.71,13.98) 92.78,13.81 92.78,12.54 arc(92.85,12.37) 93.02,12.3 93.14,12.3 arc(93.31,12.37) 93.38,12.54 93.38,13.81 arc(93.45,13.98) 93.62,14.05 93.74,14.05 arc(93.91,13.98) 93.98,13.81 93.98,12.54 arc(94.05,12.37) 94.22,12.3 94.34,12.3 arc(94.51,12.37) 94.58,12.54 94.58,12.96 arc(94.65,13.13) 94.82,13.2 95.43,13.2 103.34,5.29 JTAG1.5
TDO: length 27.1
  Bottom w0.25: U4.11 91.53,15.29 arc(91.7,15.22) 91.77,15.05 91.77,14.82 arc(91.84,14.65) 92.01,14.58 92.13,14.58 arc(92.3,14.65) 92.37,14.82 92.37,15.76 arc(92.44,15.93) 92.61,16 92.73,16 arc(92.9,15.93) 92.97,15.76 92.97,14.82 arc(93.04,14.65) 93.21,14.58 93.33,14.58 arc(93.5,14.65) 93.57,14.82 93.57,15.05 arc(93.64,15.22) 93.81,15.29 94.74,15.29 105.88,4.15 JTAG1.4
TMS: length 27
  Bottom w0.25: JTAG1.6 100.84,3.94 100.84,5.64 96.27,10.21 95.62,10.21 arc(95.45,10.14) 95.38,9.97 95.38,9.52 arc(95.31,9.35) 95.14,9.28 95.02,9.28 arc(94.85,9.35) 94.78,9.52 94.78,10.89 arc(94.71,11.06) 94.54,11.13 94.42,11.13 arc(94.25,11.06) 94.18,10.89 94.18,9.52 arc(94.11,9.35) 93.94,9.28 93.82,9.28 arc(93.65,9.35) 93.58,9.52 93.58,10.89 arc(93.51,11.06) 93.34,11.13 93.22,11.13 arc(93.05,11.06) 92.98,10.89 92.98,9.52 arc(92.91,9.35) 92.74,9.28 92.62,9.28 arc(92.45,9.35) 92.38,9.52 92.38,10.89 arc(92.31,11.06) 92.14,11.13 92.02,11.13 arc(91.85,11.06) 91.78,10.89 91.78,10.45 arc(91.71,10.28) 91.54,10.21 U4.7
TXD1: length 6
  Bottom w0.25: U2.59 27.03,76.25 arc(27.41,76.32) 27.73,76.54 29.5,78.31 arc(29.82,78.52) 30.21,78.6 U1.37
Net-(D1-A): length 4.8
  Bottom w0.25: R1.2 74.08,77.17 D1.2
Net-(D2-A): length 5.6
  Bottom w0.25: R3.2 4.26,48.26
Net-(D3-A): length 5.6
  Bottom w0.25: R4.2 D3.2
Net-(D4-A): length 5.6
  Bottom w0.25: R5.2 D4.2
Net-(D5-A): length 5.6
  Bottom w0.25: D5.2 4.31,55.88 R6.2
Net-(R2-Pad2): length 4
  Bottom w0.25: R2.2 6.26,42.68 U3.P$1
Net-(R7-Pad2): length 4
  Bottom w0.25: U3.P$2 6.3,41.83 R7.2
Net-(U1-IO0): length 40.8
  Top w0.25: v1(32.9,66.31) 34.81,68.22 arc(35.13,68.43) 35.52,68.51 v1(54.2,68.51)
  Bottom w0.25: SW4.2 60.55,71.74 arc(60.4,70.97) 59.97,70.32 57.14,67.5 arc(56.82,67.28) 56.44,67.21 C5.1 v1(54.2,68.51) ; U1.27 32.08,65.9 arc(32.46,65.97) 32.78,66.19 v1(32.9,66.31)
unconnected-(U2-Pin_13-Pad13): length 0.4
  Bottom w0.25: 26.38,18.08 U2.13

## Copper pours and planes (outline as drawn; the poured copper is in the pictures)
GND on Top, Bottom: -7.57,88.59 136.67,88.16 136.85,-3.2 -7.62,-3.25

## Text on the board
B.Silkscreen: tinysys issue 2H December 2024 Engin Cilasun | 5v0 | GND | 3v3 | DOWNLOAD | POWER | VCC | DVI 1.0
